# Altium PCB PCB_Incense.PcbDoc (part 3 of 3) (continued)
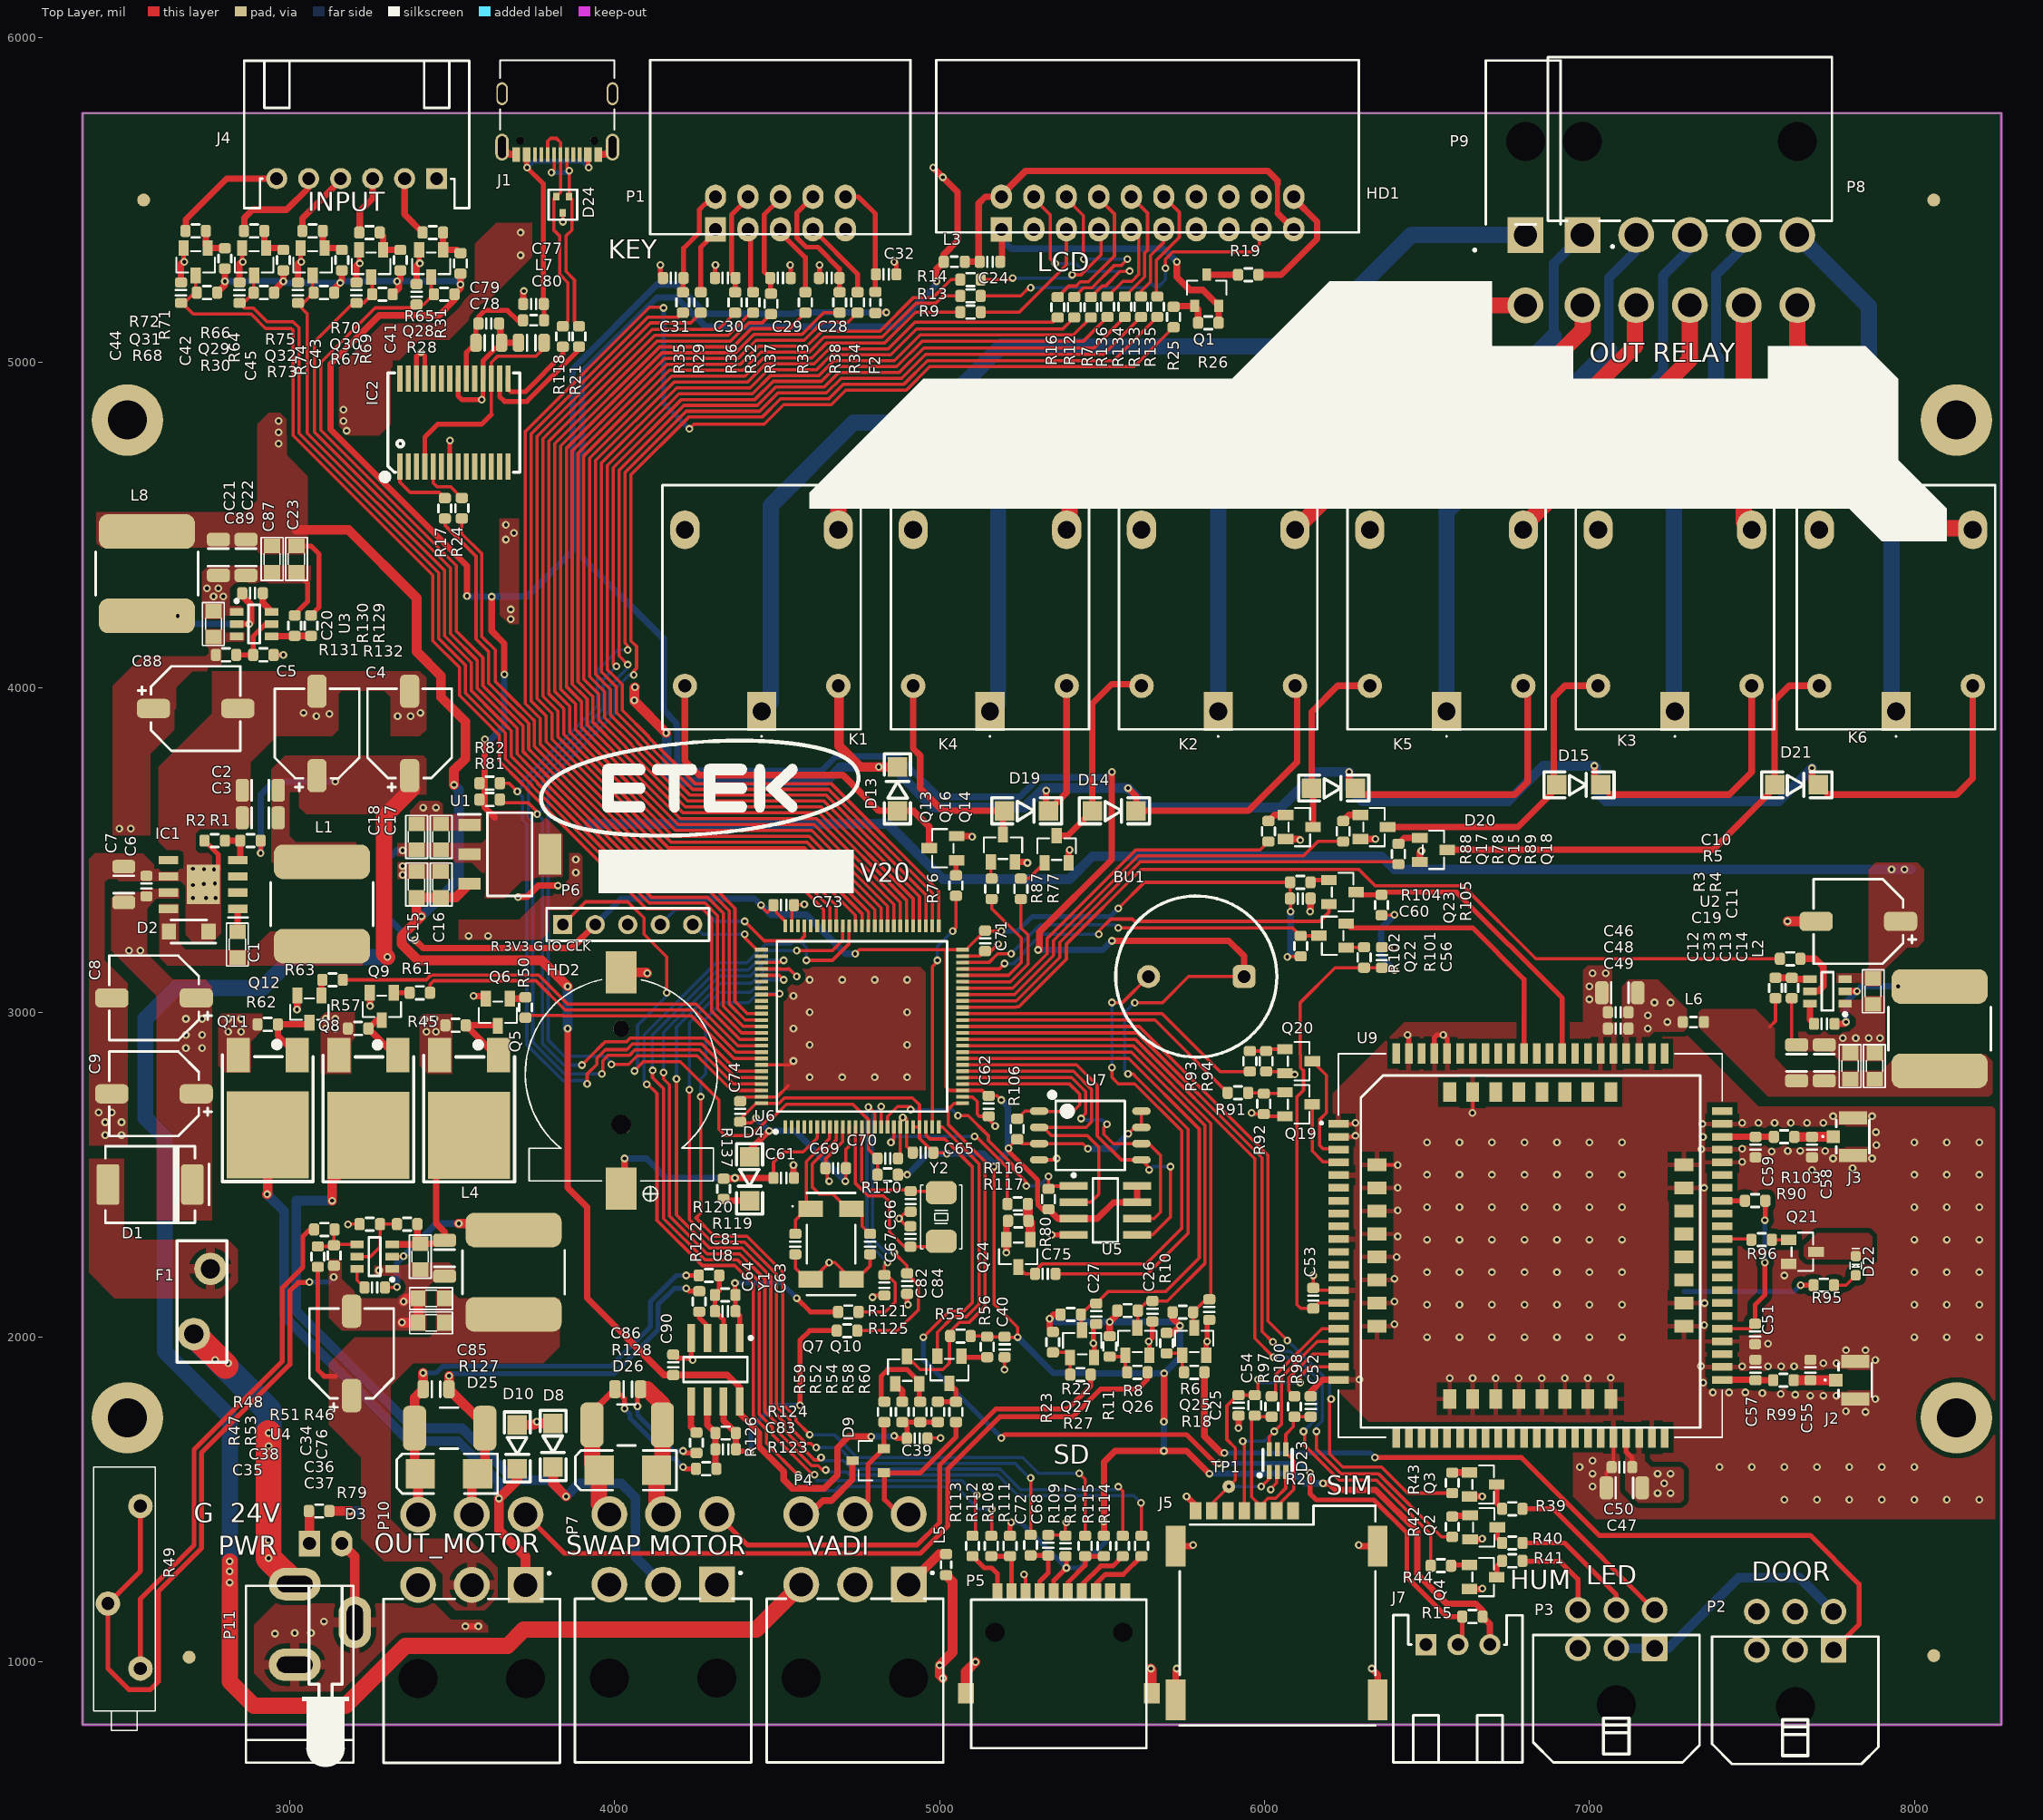
[diagram p0: Top Layer view]
## Nets (pads, with @x,y where several pads share a name; then routed paths per layer and width w, separated by ;. In a path a pad name is that pad's centre, name@x,y a point inside that pad or via, vN(x,y) a via of type N, cw(c..) or ccw(c..) an arc to the next point about the centre after c; other vN are vias at no path point) (continued)
SD_CMD: R109.1 U6.83 | length 2890.9
  Top Layer w10: v1(4265,2740) 4265,2382.28 4250,2367.28 4306.58,2310.7 4406.58,2310.7 4517.19,2200.09 4517.19,1792.62 4557.25,1752.55 4557.25,1742.75 v1(4600,1700) ; U6.83@4451.18,3054.69 4505.14,3054.69 v1(4507.42,3056.97) ; v1(5430,1580.5) 5447.85,1562.65 R109.1@5447.85,1388.93
  Bottom Layer w10: v1(4265,2740) 4265,2795 4280,2810 4280,2980 4329.09,3029.09 4410.91,3029.09 4438.79,3056.97 v1(4507.42,3056.97) ; v1(4600,1700) 4675.46,1700 4745.46,1630 5255.18,1630 5304.68,1580.5 v1(5430,1580.5)
SD_DO0: R112.1 U6.65 | length 3218.6
  Top Layer w10: v1(4098.41,2778.41) 4100,2780 4130,2750 4130,2360 4269.3,2220.7 4369.3,2220.7 4426.16,2163.84 4426.16,1756.37 4467.25,1715.27 4467.25,1672.75 4564,1576 v1(4565,1577) ; v1(4590,3160) 4670,3160 4721.46,3211.46 U6.65@4721.46,3265.91 ; R112.1@5158.96,1388.93 5160,1389.98 v1(5160,1470)
  Bottom Layer w10: v1(4098.41,2778.41) 4090,2786.82 4090,2930 4312.73,3152.73 4407.27,3152.73 4462.54,3208 4468,3208 4470,3210 4541.82,3210 4548.82,3217 4573,3217 4590,3200 v1(4590,3160) ; v1(4565,1577) 4565,1575 4612.04,1527.96 4677.04,1527.96 4689.09,1540 5050,1540 5120,1470 v1(5160,1470)
SD_DO1: R113.1 U6.66 | length 3019.3
  Top Layer w10: v1(4117,2821) 4116,2821 4116,2799 4150,2765 4150,2365.46 4276.75,2238.7 4376.75,2238.7 4444.16,2171.3 4444.16,1763.82 4485.25,1722.73 4485.25,1700.19 4611.86,1573.59 4614.27,1576 v1(4615.27,1577) ; v1(4560,3190) 4670,3190 4701.77,3221.77 U6.66@4701.77,3265.91 ; R113.1@5101.18,1388.93 5110,1397.75 5110,1510 v1(5114.09,1514.09)
  Bottom Layer w10: v1(4117,2821) 4117,2829 4115,2831 4115,2929.54 4315.73,3130.27 4410.27,3130.27 4470,3190 v1(4560,3190) ; 4622,1558 5070.18,1558 v1(5114.09,1514.09)
SD_DO2: R114.1 U6.78 | length 3278.8
  Top Layer w10: v1(4150.45,2814.92) 4150,2814.92 4150,2795 4168,2777 4168,2372.91 4284.21,2256.7 4384.21,2256.7 4462.16,2178.75 4462.16,1771.28 4503.25,1730.18 4503.25,1707.65 4606.9,1604 4626.46,1604 4628.46,1602 4639.28,1591.18 v1(4649.26,1591.18) ; U6.78@4451.18,3153.11 4505.86,3153.11 4512.75,3160 v1(4520,3160) ; v1(5620,1490) 5621.18,1488.82 R114.1@5621.18,1388.93
  Bottom Layer w10: v1(4150.45,2814.92) 4150.37,2815 4150,2815 4150,2939.09 4323.18,3112.27 4417.73,3112.27 4465.46,3160 v1(4520,3160) ; v1(4649.26,1591.18) 4658.35,1591.18 4665.03,1584.5 4714.59,1584.5 4723.09,1576 5178.54,1576 5241.69,1512.85 5597.15,1512.85 v1(5620,1490)
SD_DO3: R115.1 U6.79 | length 3288.3
  Top Layer w10: v1(4190,2795) 4190,2376.37 4291.67,2274.7 4391.67,2274.7 4480.16,2186.21 4480.16,1778.74 4521.25,1737.64 4521.25,1715.11 4603.36,1633 4614.36,1622 4630,1622 4630,1624.41 v1(4635.15,1629.56) ; U6.79@4451.18,3133.43 4508.39,3133.43 4508.82,3133 4531.18,3133 4531.61,3133.43 4536.57,3133.43 v1(4560,3110) ; v1(5550,1539.85) 5563.4,1526.45 R115.1@5563.4,1388.93
  Bottom Layer w10: v1(4190,2795) 4190,2870 4190,2953.63 4325.91,3089.54 4420.46,3089.54 4460.91,3130 4540,3130 v1(4560,3110) ; v1(4635.15,1629.56) 4635.15,1620 4704.54,1620 4730.54,1594 5186,1594 5249.15,1530.85 5550,1530.85 5550,1537 v1(5550,1539.85)
SIM_CLK: R98.1 U9.19 | length 247
  Top Layer w10: R98.1@6092.08,1817.97 6074.03,1836.02 6074.03,1873.12 6148.51,1947.6 U9.19@6227.56,1947.6
SIM_DATA: R100.1 U9.17 | length 323.5
  Top Layer w10: R100.1@6022.08,1817.97 6034.57,1830.46 6034.57,1884.57 6176.34,2026.34 U9.17@6227.56,2026.34
SIM_RST: D23.6 J5.C2 U9.18 | length 785.9
  Top Layer w10: v1(5933,1680) 5935.36,1677.64 5937.64,1677.64 J5.C2@5937.64,1465.08 ; D23.6@6014.41,1655.43 6014.17,1655.67 6014.17,1694.29 6052.73,1732.85 6052.73,1738.81 6052.79,1738.87 6052.79,1771.08 6052.73,1771.14 6052.73,1801.81 6052.79,1801.86 6052.79,1834.08 6052.73,1834.13 6052.73,1877.27 6162.42,1986.97 U9.18@6227.56,1986.97
  Bottom Layer w10: v1(5933,1680) 5940,1680 6000,1680 v1(6030,1710)
SIM_VDD: C54.1 D23.1 J5.C1 R97.1 TP1.1 U9.20 | length 954.3
  Top Layer w10: J5.C1@5837.64,1465.08 5837.64,1487.64 v1(5890,1540) 5910,1560 5910,1658.73 5884.15,1684.59 5884.15,1788.39 5917.26,1821.5 C54.1@5920,1821.5 R97.1@5970,1821.5 5980,1831.5 v1(5980,1870) ; v1(5990,1540) 6014.41,1564.41 D23.1@6014.41,1584.57 ; v1(6110,1860) 6110,1880 6138.23,1908.23 U9.20@6227.56,1908.23
  Bottom Layer w10: v1(5890,1540) v1(5990,1540) ; v1(5980,1870) 5990,1860 v1(6110,1860)
Solenoid_out: D10.2 P10.1 Q11.2 | length 1918.4
  Top Layer w30: v1(2930,2440) 2931.73,2441.73 Q11.2@2931.73,2622.72 ; D10.2@3700,1595 3700,1560 v1(3643.3,1503.3) 3643.3,1406.7 3725.35,1324.65 P10.1@3725.35,1237.4
  Bottom Layer w30: v1(2930,2440) 2982,2388 2982,2088 2982,2064.26 3366.26,1680 3516.26,1680 3642.9,1553.36 v1@3642.9,1503.3
SPI1_CK: U5.6 U6.30 U7.6 | length 1069.8
  Top Layer w10: U6.30@5070.47,2798.78 5405.76,2798.78 5449,2755.54 5449,2689 5434.24,2674.24 v1(5435.64,2672.83) ; v1(5515,2655) 5505,2645 5505,2625 5534.17,2595.83 U7.6@5621.22,2595.83 5644.17,2595.83 5680,2560 5680,2385 5660,2365 U5.6@5607.44,2365
  Bottom Layer w10: v1(5435.64,2672.83) 5433.02,2670.2 5434.61,2668.6 5501.4,2668.6 v1(5515,2655)
SPI1_CS: R106.2 U6.29 U7.1 | length 617.5
  Top Layer w10: U6.29@5070.47,2779.09 5399.99,2779.09 5431,2748.09 5431,2715.16 5410.21,2694.37 5307.72,2694.37 U7.1@5306.26,2695.83 5262.25,2695.83 R106.2@5238.74,2672.32
SPI1_DI: U5.5 U6.32 U7.5 | length 1153.1
  Top Layer w10: U6.32@5070.47,2838.15 5421.85,2838.15 5485,2775 5485,2619.54 5558.72,2545.83 U7.5@5621.22,2545.83 5645,2522.05 v1(5645,2515) ; U5.5@5607.44,2315 5655,2315 5710,2370 v1(5710,2525)
  Bottom Layer w10: v1(5645,2515) 5655,2525 v1(5710,2525)
SPI1_DO: U5.2 U6.31 U7.2 | length 1116.8
  Top Layer w10: U6.31@5070.47,2818.46 5411.54,2818.46 5467,2763 5467,2662 5450.83,2645.83 U7.2@5319.17,2645.83 ; U7.2@5306.26,2645.83 U7.2@5319.17,2645.83 ; U5.2@5412.56,2415 5465,2415 5490,2440 5490,2585 5455,2620 5345,2620 U7.2@5319.17,2645.83
SW: C1.2 D2.2 IC1.8 L1.1
SW_CLK: P6.5 U6.76 | length 249.4
  Top Layer w10: v1(4400,3240) 4400,3229.57 4437.09,3192.48 U6.76@4451.18,3192.48
  Bottom Layer w10: P6.5@4240,3270 4270,3240 v1(4400,3240)
SW_DIO: P6.4 U6.72 | length 541.2
  Top Layer w10: v1(4400,3280) 4430,3250 4460,3220 4570,3220 4583.66,3233.66 U6.72@4583.66,3265.91
  Bottom Layer w10: P6.4@4140,3270 4187,3317 4273,3317 4310,3280 v1(4400,3280)
T_INT: HD1.9 R136.2 | length 272.7
  Top Layer w10: R136.2@5516.67,5202.99 5563.68,5250 5591.56,5250 5612.94,5271.38 5612.94,5387.06 HD1.9@5590,5410
T_RST: HD1.12 R135.2 | length 357.2
  Top Layer w10: R135.2@5670,5202.99 5666.94,5206.05 5666.94,5314.76 5709.68,5357.5 5737.5,5385.32 5737.5,5462.5 HD1.12@5690,5510
T_SCL: HD1.10 R134.2 | length 356.7
  Top Layer w10: R134.2@5570,5202.99 5599.01,5232 5630.94,5263.93 5630.94,5336.85 5640,5345.91 5640,5460 HD1.10@5590,5510
T_SDA: HD1.11 R133.2 | length 236
  Top Layer w10: R133.2@5620,5202.99 5620,5219.09 5648.94,5248.03 5648.94,5329.4 5690,5370.46 HD1.11@5690,5410
touch_scl: R81.2 R134.1 U6.95 | length 4565.6
  Top Layer w10: R81.2@3646.49,3655 3656.49,3645 3733.55,3645 3761.28,3617.27 v1(3761.28,3610.01) ; v1(3898.72,2837.57) 3927,2865.85 3927,2866.1 3963.9,2903 3964.15,2903 3970.89,2909.74 4036.41,2909.74 4046.66,2920 4275.46,2920 4376.99,2818.46 U6.95@4451.18,2818.46 ; v1(4040,4070) 4013,4097 4013,4668.38 4212.6,4867.98 4438.89,4867.98 4494.91,4924 4644,4924 4689.42,4969.42 4875.33,4969.42 4950.91,5045 5475.01,5045 R134.1@5570,5140
  Bottom Layer w10: v1(3898.72,2837.57) 3843.34,2837.57 3777,2903.91 3777,3594.28 v1(3761.28,3610.01) 3777,3625.73 3777,3721.54 3983,3927.54 3983,4003 4040,4060 v1(4040,4070)
touch_sda: R82.2 R133.1 U6.96 | length 4679.5
  Top Layer w10: R82.2@3646.49,3705 3675,3705 v1(3700,3680) ; v1(3915,2780) 3915,2810 3945,2840 3945,2858.64 3971.36,2885 4037.12,2885 4054.12,2902 4268,2902 4371.22,2798.78 U6.96@4451.18,2798.78 ; v1(4040,4115) 4040,4127.73 4032,4135.73 4032,4659.93 4031,4660.93 4220.06,4849.98 4446.35,4849.98 4502.37,4906 4651.46,4906 4696.88,4951.42 4882.79,4951.42 4956.37,5025 5505.01,5025 R133.1@5620,5140
  Bottom Layer w10: v1(3915,2780) 3905,2790 3840,2790 3735,2895 3729.46,2900.54 3729.46,3578.18 3716.28,3591.37 3716.28,3663.72 v1(3700,3680) 3716.28,3696.28 3716.28,3711.73 3729.46,3724.92 3735,3730.46 3946.58,3942.04 3946.58,4051.58 4010,4115 v1(4040,4115)
U3V3: C80.1 IC2.4 IC2.17 | length 682.2
  Top Layer w10: 3620.16,4840.16 IC2.17@3620.16,4950.86 3620.16,4999.84 3620,5000 3640,5020 3758.44,5020 3782.34,5043.9 C80.1@3782.34,5060.78
  Top Layer w15: IC2.4@3415.43,4679.14 3415.43,4770.43 3455,4810 3590,4810 3620.16,4840.16
USB1_CON_D_N: D24.1 J1.A7 J1.B7 R21.1 | length 674.8
  Top Layer w10: v1(3805,5585) 3813.31,5593.31 J1.A7@3813.31,5640.29 ; J1.B7@3852.68,5640.29 3852.68,5596.69 3859.68,5589.69 D24.1@3859.68,5511.18 3859.68,5510.31 3867.86,5502.14 3867.86,5407.86 3850,5390 3850,5280 3875.93,5254.07 3875.93,5125.57 R21.1@3890,5111.5
  Bottom Layer w15: v1(3805,5585) 3855,5585 v1(3860,5590)
USB1_CON_D_P: D24.2 J1.A6 J1.B6 R118.1 | length 688.2
  Top Layer w10: J1.B6@3793.62,5640.29 3793.62,5680.99 3802.63,5690 3820,5690 3832.99,5677.01 J1.A6@3832.99,5640.29 3832.99,5523.86 D24.2@3820.31,5511.18 3811.95,5502.81 3811.95,5408.05 3830,5390 3830,5271.72 3855.93,5245.79 3855.93,5127.43 R118.1@3840,5111.5
USB1_D_N: IC2.16 R21.2 | length 381.1
  Top Layer w15: IC2.16@3645.75,4950.86 3645.75,4895 3660.75,4880 3730,4880 3890,5040 R21.2@3890,5048.51
USB1_D_P: IC2.15 R118.2 | length 275.4
  Top Layer w15: IC2.15@3671.34,4950.86 3671.34,4918.66 3680,4910 3724.64,4910 3840,5025.35 R118.2@3840,5048.51
V_motor: C35.1 C36.2 C37.2 L4.2 P10.2 R47.2 | length 379.3
  Top Layer w15: R47.2@3085.99,2216.42 3085.99,1899.01 3105,1880 3140,1880
V_SWap_motor: D8.2 P7.2 Q8.2 | length 2422.1
  Top Layer w30: v1(3130,2420) 3130,2480 3241.73,2591.73 Q8.2@3241.73,2621.65 ; D8.2@3810,1600 3810,1550 v1(3850,1510)
  Bottom Layer w30: v1(3130,2420) 3020,2420 3020,2080 3380,1720 3530,1720 3690,1560 3800,1560 v1(3850,1510) 3890,1550 4020,1550 4063.7,1506.3 4063.7,1323.7 P7.2@4148.9,1238.5
VADI_RX: D9.1 P4.4 R60.2 | length 490.3
  Top Layer w15: P4.4@4904.8,1455.04 4874.96,1455.04 4830,1500 4830,1580.83 D9.1@4828.23,1582.6 4940.47,1582.6 5050,1692.12 R60.2@5050,1738.51
VADI_TX: D9.2 P4.5 R59.2 | length 321
  Top Layer w15: P4.5@4739.45,1455.04 4780,1495.59 4780,1609.17 D9.2@4828.23,1657.4 4828.23,1736.73 R59.2@4830,1738.51
VBAT: C61.2 HD2.1 R137.1 U6.6 | length 883.2
  Top Layer w10: C61.2@4488.51,2490 4488.51,2538.51 4520,2570 4580,2570 4623.03,2613.03 U6.6@4623.03,2646.61
  Top Layer w20: HD2.1@4020,2456.83 4053.17,2490 4030,2513.17 v1(4030,2550) ; R137.1@4335,2487.99 4367.99,2487.99 v1(4370,2490) C61.2@4488.51,2490
  Bottom Layer w20: v1(4030,2550) 4097.71,2550 4157.71,2490 v1(4370,2490)
VBAT_4G: C46.1 C47.1 C48.1 C49.1 C50.1 L6.2 R95.2 U9.38 U9.39 U9.62 U9.63 | length 505.7
  Top Layer w15: U9.38@7113.39,1691.69 7113.39,1646.61 7131.5,1628.5 C50.1@7131.5,1600 ; v1(7650,2160) R95.2@7690,2160
  Bottom Layer w15: 7291.83,2140 7630,2140 v1(7650,2160)
  other v1: 7210,1520 7250,1520 7230,1550 7210,1580 7250,1580 7180,2950 7240,2970 7180,2990 7200,3030 7250,3030
VBUS: C77.2 J1.A4_B9 J1.B4_A9 L7.1 | length 780.8
  Top Layer w15: J1.B4_A9@3728.66,5640.29 3728.66,5601.34 v1(3730,5600) 3780,5550 3780,5220 3780,5182.48 3782.48,5180 3782.48,5130.99 L7.1@3781.49,5130 ; J1.A4_B9@3917.64,5640.29 3917.64,5602.36 v1(3920,5600)
  Bottom Layer w15: v1(3730,5600) 3750,5620 3900,5620 v1(3920,5600)
VDD_1V8: C53.1 C56.1 R101.1 R105.1 U9.15 | length 1665.2
  Top Layer w10: U9.15@6227.56,2105.08 6166.58,2105.08 C53.1@6150,2088.5 6111.5,2088.5 6100,2100 6100,2740 6120,2760 6120,2821.62 6117.96,2821.62 6110.93,2828.65 6110.93,2869.07 6110,2870 6110,3030 6217.24,3137.24 R101.1@6306.38,3137.24 C56.1@6361.38,3137.24 6368.62,3130 v1(6400,3130) ; R105.1@6360,3298.5 6398.5,3298.5 v1(6400,3300)
  Bottom Layer w20: v1(6400,3130) 6358.52,3171.48 6358.52,3258.52 v1(6400,3300)
VDD_AUX_3V: C51.1 R90.1 U9.44 | length 499.2
  Top Layer w10: U9.44@7408.66,2026.34 7494.84,2026.34 C51.1@7510,2041.5
  Top Layer w15: C51.1@7510,2041.5 7510,2100 7540,2130 v1(7540,2230) ; v1(7540,2360) 7541.5,2361.5 R90.1@7541.5,2420
  Bottom Layer w15: v1(7540,2230) v1(7540,2360)
pads on no net: D23.5 HD1.3 HD1.13 HD1.14 HD1.15 HD1.16 HD1.18 HD2. IC1.2 IC1.3 IC1.5 IC2.2 IC2.3 IC2.6 IC2.8 IC2.9 IC2.10 IC2.11 IC2.12 IC2.13 IC2.14 IC2.19 IC2.22 IC2.23 IC2.24 IC2.27 IC2.28 J1. J1.A5 J1.A8 J1.B5 J1.B8 J5.C6 J5.CD K1.4 K2.4 K3.4 K4.4 K5.4 K6.4 P2.0 P2.2 P2.5 P2.6 P3.0 P4. P5. P5.SW P7. P7.1 P8. P9. P10. U6.1 U6.2 U6.3 U6.4 U6.5 U6.7 U6.70 U6.71 U6.73 U6.77 U6.81 U6.82 U6.84 U6.85 U9.6 U9.7 U9.8 U9.9 U9.11 U9.12 U9.13 U9.16 U9.21 U9.22 U9.23 U9.24 U9.25 U9.26 U9.27 U9.28 U9.29 U9.30 U9.31 U9.32 U9.33 U9.34 U9.35 U9.36 U9.42 U9.45 U9.46 U9.47 U9.48 U9.49 U9.50 U9.52 U9.53 U9.55 U9.56 U9.66 U9.67 U9.69 U9.70 U9.72 U9.73 U9.74 U9.75 U9.76 U9.79 U9.83 U9.84 U9.85 U9.86 U9.87 U9.106 U9.107 U9.108 U9.109 U9.112 U9.113 U9.114 U9.115 U9.116 U9.117 U9.119

## Polygon pours and split planes (outlines as drawn)
3V3 on Top Layer "3V3_L01_P018" (solid, pour order 18): 3825,3405 3715,3405 3660,3350 3600,3350 3600,3420 3560,3460 3510,3460 3490,3480 3300,3480 3300,3520 3360,3520 3590,3520 3610,3540 3610,3620 3780,3620 3840,3560 3840,3420
5V0 on Top Layer "NONET_L-01_P-001" (solid, pour order 46): 3635,5430 3570,5365 3570,5225 3470,5125 3245,5125 3150,5030 3150,4795 3170,4775 3275,4775 3310,4810 3310,4980 3400,5070 3490,5070 3745,5325 3745,5430
DGND on Top Layer "DGND_L01_P033" (solid, pour order 33): 3645,4520 3710,4520 3710,4195 3675,4195 3645,4225
DGND on Top Layer "DGND_L01_P042" (solid, pour order 42): 4570,3140 4940,3140 4960,3120 4960,2760 4520,2760 4520,3090
+24V_SYS on Top Layer "+24V_SYS_L01_P027" (solid, pour order 27): 3807.5,3357.5 3777.5,3357.5 3705,3285 3520,3285 3520,3210 3760,3210 3900,3350 3900,3480 3890,3490 3860,3490 3860,3410
5V0 on Top Layer "NONET_L-01_P-001" (solid, pour order 45): 3055,4650 2990,4715 2990,4825 2970,4845 2935,4845 2900,4810 2900,4575 2865,4540 2405,4540 2405,4445 2420,4430 2890,4430 2910,4410 3045,4410 3055,4420
DGND on Top Layer "NONET_L-01_P-001" (solid, pour order 44): 3065,4375 2750,4375 2730,4355 2730,4215 2735,4210 2805,4210 2815,4220 2860,4220 2860,4240 2850,4250 2815,4250 2815,4305 2830,4320 3055,4320 3065,4330
+24V_SYS on Top Layer "NONET_L-01_P-001" (solid, pour order 43): 2645,3870 2570,3795 2570,3545 2455,3545 2455,4005 2545,4095 2740,4095 2750,4105 2750,4120 2740,4130 2740,4180 2800,4180 2810,4170 2860,4170 2860,4145 2855,4140 2805,4140 2790,4125 2790,4070 2770,4050 2700,4050 2650,4000 2650,3935 2645,3930
DGND on Top Layer "DGND_L01_P026" (solid, pour order 26): 3490,3462.32 3306.38,3462.32 3306.38,3433.62 3330,3410 3490,3410
DGND on Top Layer "DGND_L01_P041" (solid, pour order 41): 3080,1180 2955,1180 2890,1115 2890,965 2945,910 3170,910 3290,1030 3580,1030 3610,1060 3610,1110 3590,1130 3495,1130 3445,1180
DGND on Top Layer "DGND_L01_P038" (solid, remove dead copper, pour order 38): 6780,1740 6890,1740 6950,1680 6950,1510 7020,1440 8270.87,1440 8260,2690 8240,2710 7520,2710 7260,2970 6430,2970 6190,2730 6190,1870 6320,1740
VBAT_4G on Top Layer "VBAT_4G_L01_P002" (solid, pour order 2): 7100,1749.21 7170,1749.21 7170,1620 7190,1600 7280,1600 7290,1590 7290,1500 7280,1490 7150,1490 7110,1530 7110,1640 7100,1650
V_motor on Top Layer "V_MOTOR_L01_P039" (solid, pour order 39): 3830,2120 3520,2120 3490,2150 3460,2150 3450,2140 3450,2020 3430,2000 3200,2000 3120,1920 3120,1730 3220,1630 3220,1380 3290,1310 3430,1310 3470,1270 3470,1200 3510,1160 3600,1160 3640,1200 3640,1290 3550,1380 3370,1380 3310,1440 3310,1850 3380,1920 3780,1920 3830,1970
DGND on Top Layer "DGND_L01_P040" (solid, remove dead copper, pour order 40): 3420,2150 3440,2170 3510,2170 3510,2210 3490,2230 3350,2230 3340,2220 3260,2220 3260,2190 3330,2190 3350,2170 3350,2140 3330,2120 3220,2120 3160,2180 3160,2230 3150,2240 3120,2240 3120,2060 3160,2020 3420,2020
+24V_SYS on Top Layer "+24V_SYS_L01_P037" (solid, pour order 37): 8010,3200 7977.49,3200 7900,3122.51 7900,3090 7890,3080 7850,3080 7840,3090 7760,3090 7760,3120 7840,3120 7860,3140 7860,3440 7880,3460 8010,3460 8030,3440 8030,3220
DGND on Top Layer "DGND_L01_P025" (solid, pour order 25): 3370,3560 3370,3620 3400,3650 3460,3650 3470,3640 3470,3610 3580,3610 3590,3600 3590,3560
+24V_SYS on Top Layer "+24V_SYS_L01_P023" (solid, pour order 23): 3500,2810 3500,2925 3500,2995 3410,2995 3400,2985 3400,2835 3425,2810
+24V_SYS on Top Layer "+24V_SYS_L01_P008" (solid, pour order 8): 3190,2810 3190,2910 3200,2920 3200,3000 3110,3000 3095.46,2985.46 3095.46,2814.54 3100,2810
+24V_SYS on Top Layer "+24V_SYS_L01_P022" (solid, pour order 22): 2880,2814.76 2880,2910 2915.48,2945.48 2915.48,2996.06 2790,2996.06 2780,2986.06 2780,2836.06 2801.3,2814.76
NetD1_1 on Top Layer "NETD1_1_L01_P021" (solid, pour order 21): 2460,2120 2360,2220 2360,2540 2370,2550 2490,2550 2490,2340 2530,2300 2810,2300 2840,2270 2840,2170 2790,2120
DGND on Top Layer "Top Layer-DGND" (solid, pour order 19): 2760,4050 2760,3920 2595,3755 2595,3525 2620,3500 2660.97,3500 2673.62,3487.34 2673.62,3453.31 2653.62,3433.31 2603.62,3433.31 2548.62,3488.31 2443.62,3488.31 2443.62,3433.31 2473.62,3403.31 2663.62,3403.31 2678.62,3388.31 2678.62,3238.31 2698.62,3218.31 2763.62,3218.31 2788.62,3243.31 2788.62,3453.02 2760,3453.02 2760,3480 2750,3490 2720,3490 2710,3500 2710,3550 2723.31,3563.31 2863.62,3563.31 2878.62,3578.31 2878.62,3768.62 2960,3850 3130,3850 3150,3870 3150,3980 3160,3990 3290,3990 3310,3970 3310,3850 3400,3850 3420,3870 3420,4030 3400,4050 3340,4050 3120,4050 3040,4050
12V_SYS on Top Layer "12V_SYS_L01_P004" (solid, remove dead copper, pour order 4): 3420,3670 3346.93,3670 3286.93,3610 3050,3610 3028.62,3631.38 3028.62,3673.31 3023.62,3678.31 3003.62,3678.31 2998.62,3673.31 2998.62,3543.31 3018.62,3523.31 3203.62,3523.31 3203.62,3418.31 2988.62,3418.31 2943.62,3463.31 2943.62,3748.31 2985.32,3790 3410,3790 3420,3780
DGND on Top Layer "DGND_L01_P016" (solid, remove dead copper, pour order 16): 7060,1760 7090,1760 7090,1500 7060,1470 7030,1470 6990,1510 6990,1600 7030,1640 7050,1640 7060,1650
NetD22_2 on Top Layer "NETD22_2_L01_P013" (solid, remove dead copper, pour order 13): 7660,2280 7700,2320 7860,2320 7870,2310 7870,2240 7670,2240 7660,2250
DGND on Top Layer "DGND_L01_P012" (solid, pour order 12): 7090,2840 7090,2900 7070,2920 7070,3130 7050,3150 7000,3150 6980,3130 6980,2970 7020,2930 7020,2840 7030,2830 7080,2830
VBAT_4G on Top Layer "VBAT_4G_L01_P011" (solid, pour order 11): 7210,3100 7300,3010 7300,2950 7290,2940 7200,2940 7170,2910 7170,2840 7160,2830 7110,2830 7100,2840 7100,3080 7120,3100
DGND on Top Layer "DGND_L01_P010" (solid, pour order 10): 2500,3090 2430,3160 2430,3400 2440,3410 2470,3410 2470,3480 2460,3490 2400,3490 2370,3460 2370,2590 2500,2590
+24V_SYS on Top Layer "+24V_SYS_L01_P009" (solid, pour order 9): 2760,3080 2740,3100 2640,3100 2560,3180 2560,3320 2590,3350 2660,3350 2660,3380 2550,3380 2540,3370 2470,3370 2450,3350 2450,3190 2590,3050 2590,2360 2760,2360
DGND on Top Layer "DGND_L01_P007" (solid, pour order 7): 7770,3040 7820,3040 7830,3050 7905.02,3050 7910,3045.02 7910,2850 7770,2850 7740,2880 7590,2880 7590,2920 7610,2940 7800,2940 7820,2960 7820,2980 7800,3000 7770,3000
+4V_SYS on Top Layer "+4V_SYS_L01_P005" (solid, pour order 5): 7336.52,3000 7346.52,3010 7510,3010 7570,2950 7570,2860 7610,2820 7900,2820 7950,2870 8220,2870 8240,2850 8240,2750 8230,2740 7550,2740 7336.52,2953.48
SW on Top Layer "SW_L01_P003" (solid, pour order 3): 2598.62,3333.31 2598.62,3293.31 2598.62,3168.31 2623.62,3143.31 3223.62,3143.31 3223.62,3248.31 2938.62,3248.31 2883.62,3193.31 2678.62,3193.31 2658.62,3213.31 2658.62,3303.31 2658.62,3333.31
DGND on Bottom Layer "DGND_L02_P031" (solid, remove dead copper, pour order 31): 2520,3630 2600,3550 2600,2690 2670,2620 2670,2600 2950,2320 2950,2250 2995,2205 3145,2205 3155,2195 3155,2170 3135,2150 3065,2150 3045,2130 3045,2090 3050,2090 3055,2095 3200,1950 3200,1290 3290,1200 3290,865 3350,807.09 8259.91,807.09 8251.65,3410.01 8221.66,3440 6370,3440 6340,3470 5460,3470 5390,3400 5000,3400 4850,3550 3990,3550 3980,3540 3980,3460 3920,3400 3850,3400 3840,3410 3840,3810 3990,3960 3990,4120 3960,4150 3700,4150 3665,4150 3645,4170 3645,4245 3660,4260 3990,4260 4020,4290 4020,4730 4360,5070 4780,5070 4930,5220 4930,5270 4940,5280 5220,5280 5240,5300 5240,5760 4930,5760 2520,5760 2520,4610 2560,4570 3700,4570 3750,4520 3750,4430 3720,4400 2550,4400 2520,4370
+24V_SYS on Bottom Layer "NONET_L-01_P-001" (solid, pour order 6): 2460,3590 2520,3590 2550,3560 2550,3225 2570,3205 2570,3150 2560,3140 2505,3140 2460,3185
DGND on Bottom Layer "DGND_L02_P047" (solid, pour order 47): 2470,3135 2505,3100 2505,2705 2590,2620 2590,1970 2580,1960 2845,1695 2845,1265 2940,1170 3130,1170 3170,1210 3234.26,1210 3264.06,1180.2 3264.06,864.06 3210,810 2360,810 2360,4450 2430,4520 3710,4520 3734.97,4495.03 3734.97,4464.97 3700,4430 2520,4430 2470,4380
+24V_SYS on Bottom Layer "+24V_SYS" (solid, pour order 20): 3200,1265 3285,1180 3285,860 3335,810 7180,810 7180,1072.61 7162.07,1090.55 6860.55,1090.55 6680,910 5120,910 4980,1050 4112.2,1050 4077.91,1084.29 4077.91,1268.89 4020.92,1325.88 3945.88,1325.88 3880,1260 3880,1070 3860,1050 3500,1050 3480,1070 3480,1280 3440,1320 3330,1320 3300,1350 3300,1690 2890,2100 2890,2456.8 2700,2646.8 2700,2780 2720,2800 3520,2800 3520,2970 3460,3030 3460,3080 3560,3180 3630,3180 3630,3250 3530,3250 3410,3130 3410,3050 3390,3030 2670,3030 2600,2960 2600,2690 2600,2620 2820,2400 2820,2070 3200,1690
+24V_SYS on Bottom Layer "+24V_SYS_L02_P014" (solid, pour order 14): 3950,3730 3950,3450 3915,3415 3820,3415 3810,3425 3810,3720 4010,3920 4010,4040 4074,4040 4074,3854
DGND on Bottom Layer "Bottom Layer-DGND" (solid, pour order 48): 3665,4205 3710,4160 4030,4160 4040,4150 4040,4110 4060,4090 4090.04,4059.96 4089.84,3670.16 4190,3570 4860,3570 4990,3440 5390,3440 5450,3500 6370,3500 6400,3470 6510,3470 6510,3550 6460,3600 4980,3600 4890,3690 4170,3690 4130,3730 4130,4090 4130,4140 4015,4255 3665,4255
5V0 on Bottom Layer "NONET_L-01_P-001" (solid, pour order 15): 2975,4880 2935,4840 2935,4735 2955,4715 3135,4715 3200,4780 3200,4880
VBAT_4G on Bottom Layer "VBAT_4G_L02_P028" (solid, pour order 28): 7310,1510 7310,3000 7260,3050 7190,3050 7160,3020 7160,1520 7190,1490 7290,1490
5V0 on Bottom Layer "5V0_L02_P024" (solid, pour order 24): 3680,5430 3740,5430 3770,5400 3970,5400 4200,5630 4980,5630 5024.73,5585.27 5024.73,5555.73 4984.27,5555.73 4960,5580 4270,5580 4000,5310 3680,5310
no net on Bottom Layer "NONET_L02_P036" (solid, pour order 36): 7290,1510
no net on Bottom Overlay "NONET_L-01_P-001" (solid): 4500,4700 4500,4550 7950,4550 7950,4950 7850,5050 6700,5050 6700,5450 6400,5450 6100,5150 4950,5150
no net on Top Overlay "NONET_L-01_P-001" (solid): 3950,3500 4735,3500 4735,3366.84 3950,3366.84
no net on Top Overlay "NONET_L-01_P-001" (solid): 4600,4550 4600,4600 4950,4950 5900,4950 6200,5250 6700,5250 6700,5050 6950,5050 6950,4950 7550,4950 7550,5050 7850,5050 7950,4950 7950,4700 8100,4550 8100,4450 7900,4450 7800,4550

## Keep-outs
Keep-Out Layer:
  lines w7.87: 2362.2,4960.63 2362.2,4960.63 ; 2362.2,4960.63 2362.2,5767.72 8267.72,5767.72 8267.72,4960.63 ; 2362.2,4960.63 2362.2,1614.17 2362.2,807.09 8267.72,807.09 8267.72,1614.17 8267.72,4960.63 ; 8267.72,4960.63 8267.72,4960.63

## Other copper
Top Layer:
  region: 3338.66,4679.14
  pour cut-out: 7781.46,2646.76 7855.48,2646.76 7862.8,2639.44 7862.8,2587.39 7781.46,2587.39
  pour cut-out: 7788.66,1897.32 7862.68,1897.32 7870,1890 7870,1837.95 7788.66,1837.95
  pour cut-out: 7582.9,2644.08 7616.19,2644.08 7616.19,2591.46 7582.9,2591.46
  pour cut-out: 7580.64,1895.3 7613.93,1895.3 7613.93,1842.85 7580.64,1842.85
  region: 6991.65,1517.25
Bottom Layer:
  pour cut-out: 2470,1450 2500,1420 2575,1420 2605,1450 2605,1510 2575,1540 2495,1540 2470,1515
  pour cut-out: 2345,1255 2465,1255 2505,1215 2505,1150 2475,1120 2345,1120
  pour cut-out: 2440,1180
  pour cut-out: 2580,2970
  pour cut-out: 4080,1810 4010,1810 3990,1790 3990,1770 4180,1580 4230,1580 4240,1590 4240,1650
  pour cut-out: 3868.77,1930 3400,1930 3380,1910 3380,1880 3398.24,1861.76 4011.76,1861.76 4150,2000 4150,2090 4192.16,2132.16 4231.46,2132.16 4240.72,2141.42 4240.72,2209.28 4240,2210 4180,2210 4090,2120 4090,2050 3970,1930

## Silkscreen, mask and mechanical layers (free items; w line width, h text height)
Top Overlay:
  drawing of 1712 lines, arcs and shapes, not listed
  text "INPUT" at 3055,5446.09 h100
  text "KEY" at 3980,5300 h100
  text "LCD" at 5300,5261.09 h100
  text "OUT RELAY" at 7000,4981.09 h100
  text "V20" at 4755,3381.09 h100
  text "R 3V3 G IO CLK" at 3618.51,3179.25 h50
  text "SD" at 5350,1591.2 h100
  text "SIM" at 6190,1496.2 h100
  text "G  24V" at 2705,1411.09 h100
  text "OUT_MOTOR" at 3260,1317.68 h100
  text "SWAP MOTOR" at 3850,1311.2 h100
  text "PWR" at 2780,1310 h100
  text "VADI" at 4590,1310 h100
  text "DOOR" at 7500,1231.09 h100
  text "LED" at 6990,1220 h100
  text "HUM" at 6755,1206.09 h100
Bottom Overlay:
  drawing of 1712 lines, arcs and shapes, not listed

## Text inside footprints (layer, text, board x,y; h text height)
J5: Top Courtyard "PCB EDGE" at 6179.58,729.44 h39.37
Q2: Mechanical 1 "*" at 6633.75,1475.65 h70
Q3: Mechanical 1 "*" at 6631.76,1607.65 h70
Q4: Mechanical 1 "*" at 6631.76,1322.65 h70
Q6: Mechanical 1 "*" at 3701,3040.99 h70 r270
Q7: Mechanical 1 "*" at 4838.92,1857.65 h70 r90
Q9: Mechanical 1 "*" at 3344,3059 h70 r270
Q10: Mechanical 1 "*" at 5091,1940.99 h70 r270
Q12: Mechanical 1 "*" at 3121,3050.99 h70 r270
Q13: Mechanical 1 "*" at 5050.99,3444 h70 r180
Q14: Mechanical 1 "*" at 5299,3461.02 h70 r90
Q15: Mechanical 1 "*" at 6296.02,3631 h70
Q16: Mechanical 1 "*" at 5134,3464.01 h70 r90
Q17: Mechanical 1 "*" at 6066.02,3631 h70
Q18: Mechanical 1 "*" at 6479.01,3561 h70
Q19: Mechanical 1 "*" at 6063.76,2777.81 h70
Q20: Mechanical 1 "*" at 6063.93,2910.37 h70
Q21: Mechanical 1 "*" at 7614.4,2323.8 h70
Q22: Mechanical 1 "*" at 6250.38,3174.74 h70 r180
Q23: Mechanical 1 "*" at 6199.01,3431 h70
Q24: Mechanical 1 "*" at 5303,2299 h70 r270
Q25: Mechanical 1 "*" at 5722.5,1945.76 h70 r90
Q26: Mechanical 1 "*" at 5547.5,1945.76 h70 r90
Q27: Mechanical 1 "*" at 5377.5,1938.75 h70 r90
Q28: Mechanical 1 "*" at 3496,5345.99 h70 r270
Q29: Mechanical 1 "*" at 2951,5350.99 h70 r270
Q30: Mechanical 1 "*" at 3311,5345.99 h70 r270
Q31: Mechanical 1 "*" at 2771,5350.99 h70 r270
Q32: Mechanical 1 "*" at 3131,5350.99 h70 r270